# KiCad board porcupine_6x3_routed.kicad_pcb (continued)
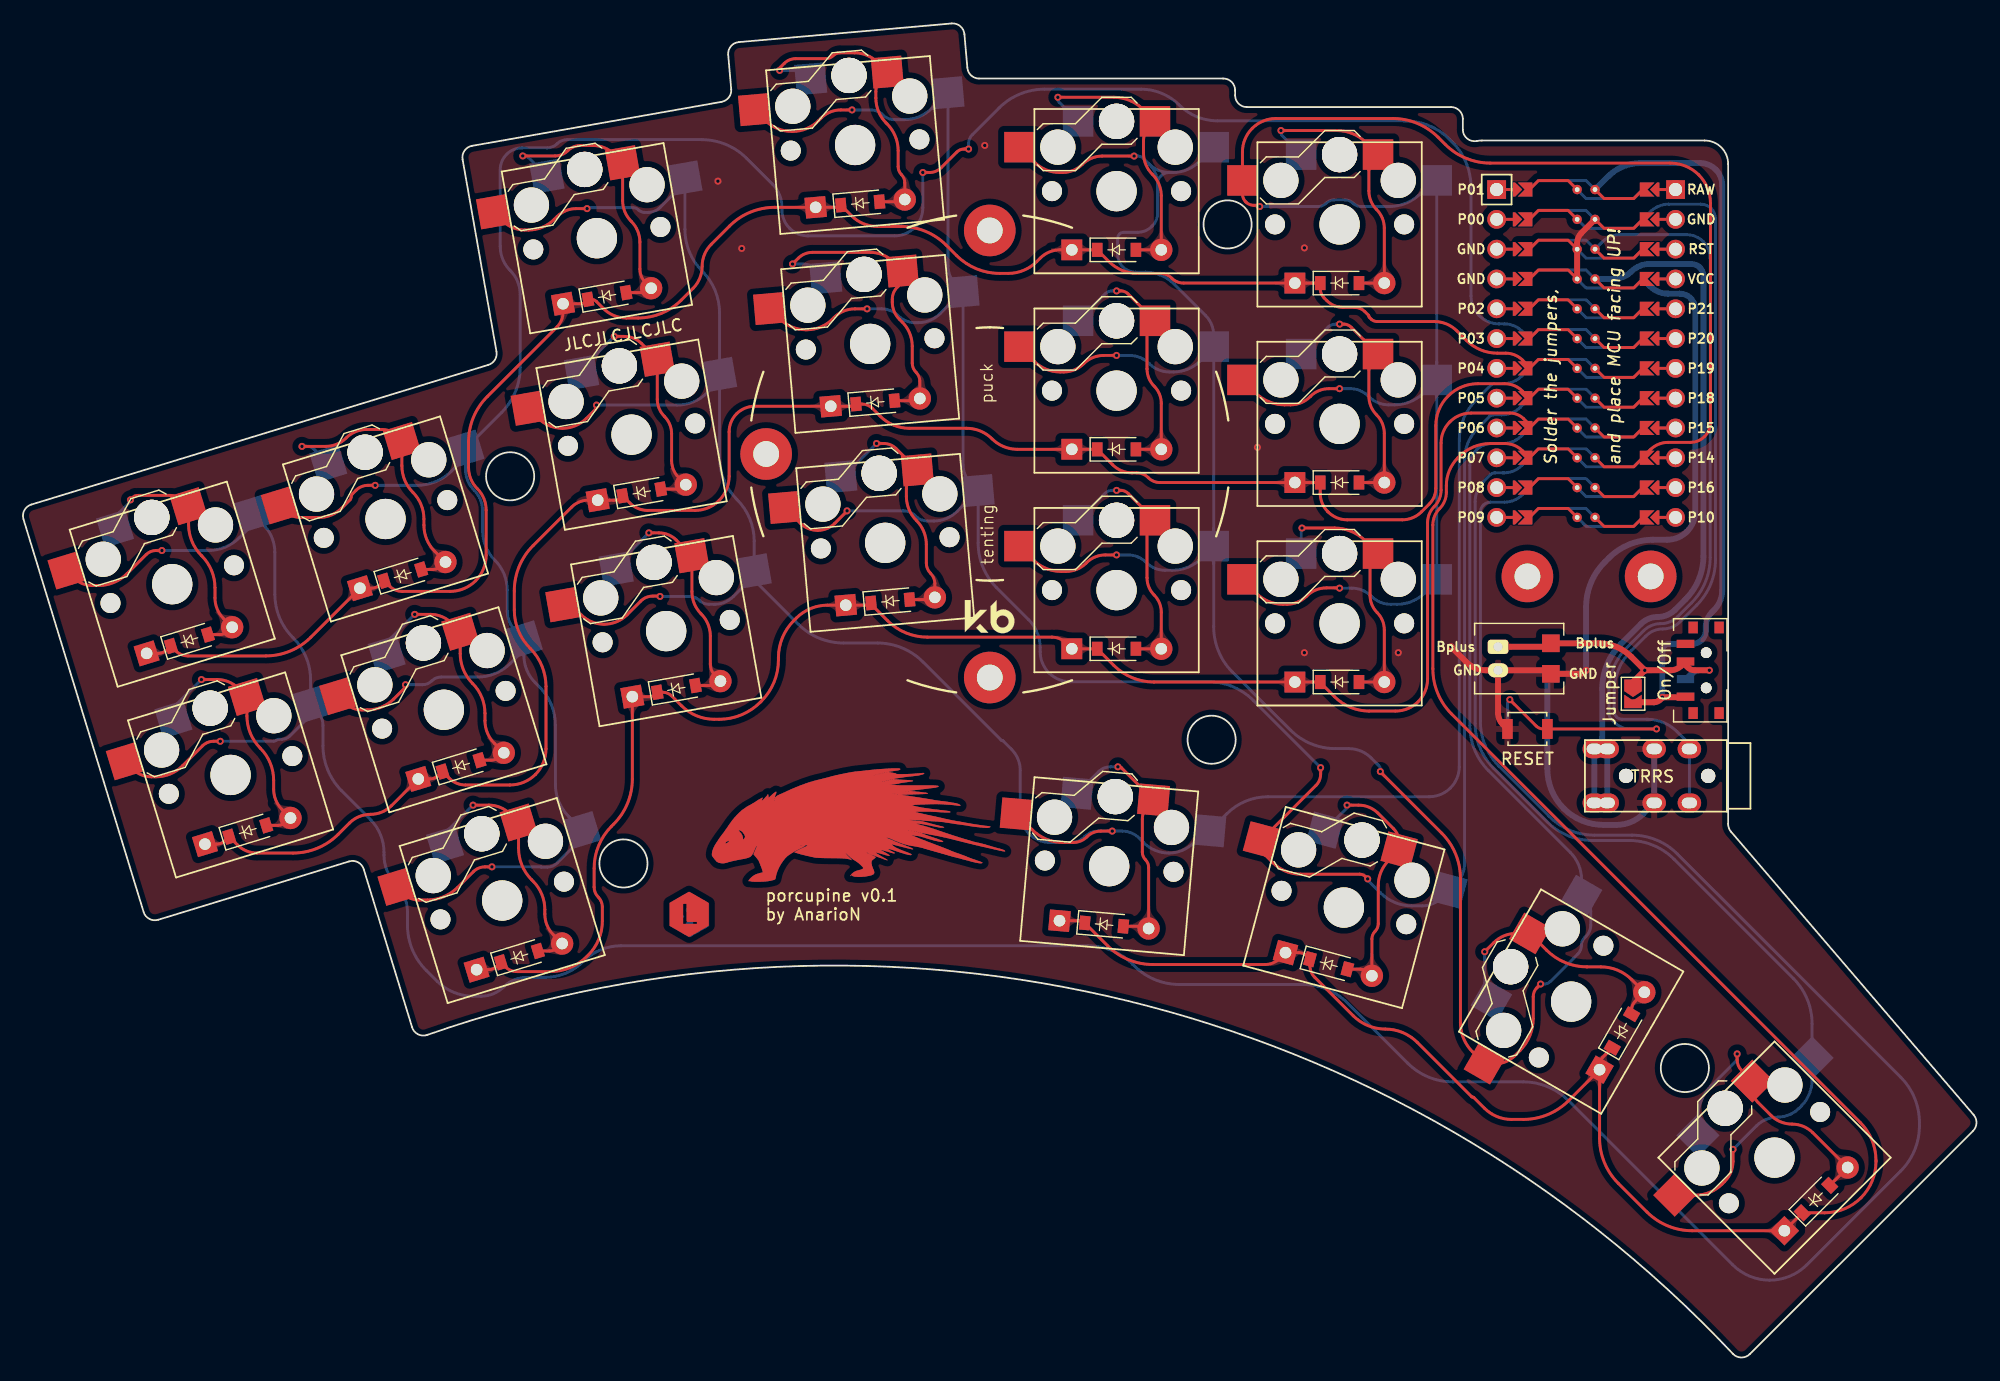
[diagram p0: board, top side]
## Routing (per net, layer and track width the routed paths; a pad name or vN(x,y) marks a point on that pad's centre or on a via; arc(x,y) is an arc through that point) (continued)
  Top w0.25: v1(112.75,47.08) 113.73,47.08 arc(114.63,46.9) 115.4,46.39 116.71,45.07 arc(117.06,44.54) 117.19,43.92 arc(117.06,43.3) 116.71,42.77 116.3,42.36 arc(115.64,41.38) 115.41,40.22 115.41,36.98 arc(115.34,36.62) 115.14,36.32 arc(114.94,36.02) 114.87,35.67 114.87,32.93 arc(114.77,32.78) 114.59,32.81 arc(114.28,33.02) 113.92,33.09 112.78,33.09
  Bottom w0.25: S19.1 112.67,46.75 arc(112.73,46.85) 112.75,46.96 v1(112.75,47.08) ; 114.87,32.53 114.59,32.81 arc(114.28,33.02) 113.92,33.09 112.78,33.09
outer_home: length 24.4
  Top w0.25: 20.68,45.35 21.67,45.35 arc(22.08,45.43) 22.43,45.67 arc(22.56,45.98) 22.43,46.3 22.03,46.7 arc(21.5,47.49) 21.31,48.43 21.31,49.18 arc(21.02,50.67) 20.17,51.93 arc(19.33,53.19) 19.04,54.68 19.04,55.25 arc(18.84,56.22) 18.29,57.04 arc(17.47,57.59) 16.51,57.78 v1(15.16,57.78)
  Bottom w0.25: 20.68,45.35 21.67,45.35 arc(22.08,45.43) 22.43,45.67 22.75,45.98 ; S1.1 12.77,54.89 arc(12.86,55.35) 13.13,55.75 v1(15.16,57.78)
outer_top: length 24.1
  Top w0.25: v1(9.11,73.09) 9.3,73.28 arc(9.51,73.42) 9.76,73.47 12.5,73.47 arc(13.1,73.35) 13.61,73.01 arc(13.95,72.51) 14.06,71.91 14.06,71 arc(14.35,69.56) 15.17,68.34 15.19,68.32 arc(16.02,67.07) 16.31,65.6 16.31,64.74 arc(16.5,63.78) 17.05,62.97 17.46,62.56 arc(17.59,62.24) 17.46,61.92 arc(17.11,61.69) 16.7,61.61 15.71,61.61
  Bottom w0.25: 17.78,62.24 17.46,61.92 arc(17.11,61.69) 16.7,61.61 15.71,61.61 ; v1(9.11,73.09) 9.11,73.03 arc(9.1,72.97) 9.07,72.92 8.16,72.01 arc(7.89,71.61) 7.8,71.14 S2.1
P0: length 65.8
  Bottom w0.25: TRRS_B.R2 141.92,52.08 arc(141.88,52.27) 141.77,52.44 140.87,53.34 arc(139.7,54.12) 138.32,54.39 136.2,54.39 arc(135.93,54.45) 135.71,54.59 arc(135.57,54.81) 135.51,55.08 135.51,56.79 arc(135.88,58.64) 136.93,60.21 138.21,61.49 arc(138.88,61.94) 139.66,62.09 arc(140.45,62.25) 141.11,62.69 142.54,64.12 arc(143.72,65.89) 144.14,67.97 144.14,97.06 arc(144.04,97.53) 143.78,97.93 arc(143.37,98.2) 142.9,98.29 140.15,98.29 arc(139.31,98.12) 138.59,97.65 MCU1.23
P4: length 165.3
  Top w0.25: 10.49,60.01 11.48,60.01 arc(11.89,60.09) 12.24,60.33 arc(12.56,60.46) 12.87,60.33 12.98,60.22 arc(13.45,59.9) 14.01,59.79 20.63,59.79 arc(22.72,60.21) 24.48,61.39 28.31,65.22 arc(28.7,65.48) 29.15,65.57 29.65,65.57 arc(30.06,65.65) 30.41,65.88 arc(30.73,66.01) 31.04,65.88 31.18,65.75 arc(31.68,65.41) 32.27,65.29 36.34,65.29 arc(37.52,65.53) 38.51,66.19 arc(39.18,67.19) 39.41,68.37 39.41,72.23 arc(39.22,73.21) 38.66,74.04 arc(38.11,74.87) 37.91,75.85 37.91,78.04 arc(38.33,80.12) 39.51,81.89 45.45,87.83 arc(45.83,88.4) 45.96,89.08 45.96,89.44 arc(46.07,89.7) 46.33,89.81 47.45,89.81 arc(47.7,89.86) 47.9,89.99 arc(48.11,90.13) 48.36,90.18 arc(48.6,90.13) 48.81,89.99 49.42,89.39 arc(50.3,88.8) 51.34,88.59 52.36,88.59 arc(54.35,88.99) 56.03,90.11 57.04,91.12 arc(57.61,91.98) 57.81,92.99 arc(58.02,94.01) 58.59,94.87 60.15,96.43 arc(61.92,97.61) 64,98.02 67.49,98.02 69.32,98.02 arc(69.44,98.05) 69.54,98.12 arc(69.64,98.16) 69.73,98.12 70.55,97.3 arc(71.55,96.63) 72.74,96.39 74.76,96.39 arc(76.84,95.98) 78.61,94.8 79.49,93.91 arc(81.18,92.79) 83.16,92.39 83.89,92.39 arc(85.21,92.65) 86.32,93.4 86.62,93.7 arc(87.4,94.22) 88.32,94.4 89.31,94.4 91.47,94.4 92.47,93.4 arc(93.58,92.65) 94.9,92.39 96.83,92.39 arc(97.37,92.29) 97.83,91.98 arc(98.28,91.68) 98.82,91.57 108.31,91.57 110.47,91.57 110.47,91.1 arc(110.55,90.67) 110.8,90.31 111.04,90.07 arc(111.67,89.64) 112.42,89.49 113.42,89.49 arc(113.88,89.4) 114.26,89.14 114.58,88.83 arc(114.6,88.79) 114.61,88.74 arc(114.62,88.7) 114.65,88.66 114.81,88.49 arc(115.03,88.35) 115.3,88.29 120.18,88.29 arc(121.23,88.08) 122.12,87.49 122.92,86.69 arc(124.13,85.88) 125.56,85.59 126.28,85.59 arc(127.05,85.44) 127.7,85 128.25,84.46 arc(128.28,84.41) 128.29,84.36 MCU1.18
  Bottom w0.25: 10.49,60.01 11.48,60.01 arc(11.89,60.09) 12.24,60.33 12.56,60.64 ; 89.31,94.4 91.47,94.4 ; 108.31,91.57 110.47,91.57 ; 67.49,98.02 69.32,98.02 arc(69.44,98.05) 69.54,98.12 69.64,98.21 ; 48.09,90.18 47.9,89.99 arc(47.7,89.86) 47.45,89.81 45.96,89.81 ; 30.73,66.2 30.41,65.88 arc(30.06,65.65) 29.65,65.57 28.66,65.57
P5: length 172.7
  Top w0.25: 15.46,43.75 16.45,43.75 arc(16.86,43.84) 17.21,44.07 arc(17.53,44.2) 17.84,44.07 18.22,43.69 arc(19,43.17) 19.91,42.99 22.96,42.99 arc(25.04,43.41) 26.81,44.59 27.77,45.55 arc(28.59,46.1) 29.56,46.29 arc(30.53,46.49) 31.36,47.04 33.28,48.96 arc(33.67,49.22) 34.12,49.31 34.62,49.31 arc(35.03,49.39) 35.38,49.63 arc(35.7,49.76) 36.01,49.63 36.27,49.37 arc(36.91,48.94) 37.66,48.79 41.44,48.79 arc(42.62,49.03) 43.61,49.69 arc(44.28,50.69) 44.51,51.87 44.51,57.18 arc(44.16,58.95) 43.16,60.44 arc(42.16,61.94) 41.81,63.7 41.81,65.34 arc(42.23,67.42) 43.41,69.19 46.71,72.49 arc(47.35,72.92) 48.1,73.06 50.4,73.06 arc(50.65,73.11) 50.86,73.25 arc(51.04,73.33) 51.23,73.25 51.67,72.82 arc(52.36,72.36) 53.17,72.19 57.21,72.19 arc(58.32,72.41) 59.26,73.04 arc(59.89,73.98) 60.11,75.1 60.11,78.89 arc(60.28,79.72) 60.75,80.43 arc(61.46,80.9) 62.29,81.07 68.77,81.07 70.6,81.07 arc(70.72,81.1) 70.83,81.16 arc(70.93,81.23) 71.05,81.26 71.43,81.26 arc(71.91,81.16) 72.31,80.9 72.98,80.23 arc(74.12,79.46) 75.47,79.19 80.35,79.19 arc(81.52,78.96) 82.51,78.3 arc(83.5,77.63) 84.67,77.4 89.31,77.4 91.47,77.4 92.79,76.08 arc(93.55,75.57) 94.45,75.39 94.83,75.39 arc(95.37,75.29) 95.83,74.98 arc(96.28,74.68) 96.82,74.57 108.31,74.57 110.47,74.57 110.47,73.65 arc(110.64,72.81) 111.12,72.09 111.14,72.07 arc(111.89,71.57) 112.76,71.39 117.46,71.39 arc(118.34,71.57) 119.09,72.07 119.76,72.74 arc(120.17,73.35) 120.31,74.07 120.31,79.41 arc(120.59,80.78) 121.36,81.94 arc(122.53,82.72) 123.9,82.99 126.18,82.99 arc(126.99,82.83) 127.67,82.38 MCU1.17
  Bottom w0.25: 48.92,73.06 50.4,73.06 arc(50.65,73.11) 50.86,73.25 51.04,73.44 ; 15.46,43.75 16.45,43.75 arc(16.86,43.84) 17.21,44.07 17.53,44.39 ; 89.31,77.4 91.47,77.4 ; 68.77,81.07 70.6,81.07 arc(70.72,81.1) 70.83,81.16 70.92,81.26 ; 35.7,49.94 35.38,49.63 arc(35.03,49.39) 34.62,49.31 33.63,49.31 ; 108.31,74.57 110.47,74.57
P6: length 153.7
  Top w0.25: 38.6,33.05 39.59,33.05 arc(40,33.13) 40.35,33.37 arc(40.67,33.5) 40.98,33.37 41.06,33.29 arc(41.5,33) 42.02,32.89 44.87,32.89 arc(46.57,33.23) 48.01,34.19 48.11,34.29 arc(49,35.62) 49.31,37.19 49.31,38.4 arc(49.22,38.86) 48.96,39.24 arc(48.7,39.63) 48.61,40.09 48.61,41.69 arc(49,43.63) 50.1,45.28 50.27,45.45 arc(51.45,47.22) 51.87,49.3 51.87,56.32 53.36,56.32 arc(53.6,56.37) 53.81,56.51 arc(54.02,56.65) 54.26,56.7 54.45,56.7 arc(54.87,56.61) 55.23,56.38 56.06,55.55 arc(57.34,54.69) 58.84,54.39 59.26,54.39 arc(61.16,54.77) 62.76,55.84 62.86,55.94 arc(63.94,57.55) 64.31,59.44 64.31,59.64 arc(64.65,61.35) 65.63,62.81 65.84,63.02 arc(67.06,63.83) 68.49,64.12 70.05,64.12 71.88,64.12 arc(72,64.14) 72.11,64.21 72.17,64.27 arc(72.19,64.27) 72.2,64.26 arc(72.21,64.21) 72.24,64.17 73.61,62.8 arc(75.16,61.76) 77,61.39 87.62,61.39 arc(88.26,61.26) 88.81,60.9 89.06,60.65 arc(89.33,60.47) 89.66,60.4 91.47,60.4 92.88,58.99 arc(94.45,57.94) 96.3,57.57 108.31,57.57 110.45,57.57 arc(110.46,57.56) 110.47,57.55 arc(110.47,57.54) 110.48,57.53 111.69,56.32 arc(113.04,55.41) 114.64,55.09 116.88,55.09 arc(117.93,55.3) 118.81,55.89 arc(119.41,56.78) 119.61,57.82 119.61,71.14 arc(119.76,71.89) 120.19,72.53 arc(120.61,73.17) 120.76,73.92 120.76,77.93 arc(120.96,78.91) 121.51,79.74 arc(122.34,80.3) 123.32,80.49 126.62,80.49 arc(127.26,80.37) 127.8,80 128.19,79.62 arc(128.26,79.5) 128.29,79.37 MCU1.16
  Bottom w0.25: 89.31,60.4 91.47,60.4 ; 54,56.7 53.81,56.51 arc(53.6,56.37) 53.36,56.32 51.87,56.32 ; 70.05,64.12 71.88,64.12 arc(72,64.14) 72.11,64.21 72.2,64.31 ; 108.31,57.57 110.47,57.57 ; 40.67,33.68 40.35,33.37 arc(40,33.13) 39.59,33.05 38.6,33.05
P7: length 186.2
  Top w0.25: MCU1.15 127.68,77.29 arc(127.01,77.74) 126.22,77.89 124.97,77.89 arc(123.53,77.61) 122.31,76.79 122.19,76.67 arc(121.47,75.59) 121.21,74.31 121.21,73.73 arc(121.06,72.98) 120.64,72.35 arc(120.21,71.71) 120.06,70.96 120.06,58.7 arc(120.48,56.61) 121.66,54.85 156.47,20.04 arc(157.46,18.55) 157.81,16.79 157.81,16.7 arc(157.48,15.03) 156.53,13.61 arc(155.12,12.67) 153.45,12.33 151.54,12.33 150.01,10.81 142.15,10.81 arc(140.07,11.22) 138.31,12.4 135.86,14.85 arc(134.68,16.61) 134.27,18.69 134.27,24.14 ; 134.27,24.14 134.27,24.93 ; 134.27,24.14 arc(134.17,24.29) 133.99,24.25 ; 135.35,26.4 134.55,25.6 arc(134.34,25.29) 134.27,24.93 ; 133.99,24.25 131.62,21.89 arc(129.86,20.71) 127.77,20.29 126.76,20.29 arc(125.52,20.54) 124.46,21.24 123.55,22.15 arc(123.51,22.18) 123.46,22.19 arc(123.41,22.2) 123.37,22.23 118.73,26.86 arc(117.48,27.7) 116.01,27.99 arc(114.53,28.29) 113.28,29.12 110,32.41 arc(109.7,32.85) 109.6,33.38 109.6,33.55 arc(109.52,33.92) 109.32,34.23 arc(109.01,34.43) 108.64,34.51 108.23,34.51 arc(107.56,34.38) 107,34 arc(106.44,33.62) 105.78,33.49 96.21,33.49 arc(94.13,33.91) 92.36,35.09 90.32,37.13 arc(90.21,37.2) 90.09,37.23 88.26,37.23 ; 133.99,24.25 arc(134.19,24.56) 134.27,24.93
  Bottom w0.25: 150.01,10.81 151.54,12.33 ; 134.27,24.53 134.27,24.93 arc(134.34,25.29) 134.55,25.6 135.35,26.4 ; 107.51,34.51 108.64,34.51 arc(109.01,34.43) 109.32,34.23 109.6,33.95 ; 90.41,37.04 90.32,37.13 arc(90.21,37.2) 90.09,37.23 88.26,37.23
P14: length 254.9
  Top w0.25: v1(112.12,65.57) 112.11,65.58 arc(112.09,65.59) 112.08,65.59 111,65.59 arc(110.09,65.41) 109.31,64.89 arc(108.54,64.38) 107.62,64.19 107.29,64.19 arc(106.07,64.44) 105.03,65.13 S15.2 ; MCU1.10 137.94,76.7 arc(137.95,76.72) 137.96,76.74 138.58,77.36 arc(139.28,77.83) 140.11,77.99 142.01,77.99 arc(142.66,78.12) 143.21,78.49 arc(143.58,79.05) 143.71,79.7 143.71,98.38 arc(143.45,99.69) 142.71,100.79 arc(141.61,101.53) 140.3,101.79 124.97,101.79 arc(122.88,102.21) 121.12,103.39 120.51,104 arc(118.74,105.18) 116.66,105.59 106.69,105.59 arc(105.6,105.38) 104.68,104.76 arc(104.06,103.83) 103.84,102.74 S17.2 103.84,99.18 arc(103.92,98.8) 104.13,98.48 104.14,98.47 arc(104.45,98.27) 104.82,98.19 105.14,98.19 arc(105.21,98.18) 105.26,98.14 v1(105.31,98.09) ; S21.2 142.43,13.84 arc(143.66,14.08) 144.7,14.78 144.92,15 arc(145.45,15.79) 145.63,16.73 v1(145.63,17.74) ; v1(112.12,82.57) 111.2,82.57 arc(110.36,82.4) 109.64,81.92 109.6,81.88 arc(108.84,81.37) 107.94,81.19 107.44,81.19 arc(106.08,81.46) 104.93,82.23 S16.2
  Bottom w0.25: MCU1.10 127.65,76.04 arc(126.94,75.56) 126.1,75.39 125.35,75.39 arc(125.13,75.35) 124.95,75.23 124.39,74.67 arc(123.85,73.87) 123.66,72.92 123.66,54.05 arc(124.08,51.97) 125.26,50.2 129.79,45.66 arc(131.56,44.48) 133.64,44.07 136.76,44.07 arc(138.84,43.65) 140.61,42.47 150.77,32.31 arc(151.95,30.54) 152.37,28.46 S21.2 152.37,23.66 arc(152.13,22.45) 151.44,21.42 151.27,21.25 arc(150.43,20.69) 149.45,20.49 arc(148.46,20.3) 147.63,19.74 v1(145.63,17.74) ; v1(112.12,65.57) 113.17,65.57 arc(114.06,65.39) 114.83,64.88 arc(115.59,64.37) 116.49,64.19 117.01,64.19 arc(118.31,64.45) 119.4,65.18 120.34,66.12 arc(120.38,66.18) 120.39,66.25 120.39,81.82 ; 119.33,82.26 119.31,82.24 arc(118.16,81.46) 116.79,81.19 116.29,81.19 arc(115.39,81.37) 114.63,81.88 114.58,81.93 arc(113.87,82.4) 113.03,82.57 v1(112.12,82.57) ; 119.33,82.26 arc(120.01,82.39) 120.39,81.82 ; 119.33,82.26 arc(120.12,83.43) 120.39,84.82 ; v1(105.31,98.09) 110.29,98.09 arc(110.66,98.17) 110.97,98.38 arc(111.28,98.58) 111.65,98.66 112.58,98.66 arc(112.95,98.58) 113.27,98.38 arc(113.58,98.17) 113.95,98.09 116.34,98.09 arc(117.79,98.38) 119.03,99.21 120.05,100.23 arc(120.15,100.3) 120.27,100.32 arc(120.36,100.28) 120.39,100.19 120.39,84.82 ; 120.39,81.82 120.39,84.82
P15: length 221.9
  Top w0.25: v1(93.12,68.4) 92.17,68.4 arc(91.29,68.23) 90.55,67.73 90.52,67.7 arc(89.74,67.18) 88.82,66.99 88.41,66.99 arc(87.11,67.25) 86.01,67.99 S12.2 ; v1(115.59,49.94) 115.59,49.93 arc(115.59,49.92) 115.6,49.91 120.82,44.69 arc(122,42.92) 122.41,40.84 122.41,28.53 arc(122.68,27.19) 123.44,26.06 124.12,25.38 arc(124.49,25.13) 124.93,25.04 125.41,25.04 arc(126.29,25.22) 127.03,25.71 127.49,26.17 arc(128.32,27.41) 128.61,28.89 128.61,30.76 arc(128.7,31.17) 128.93,31.52 v1(129.24,31.83) ; v1(93.12,85.4) 92.02,85.4 arc(91.1,85.22) 90.32,84.7 arc(89.54,84.18) 88.62,83.99 88.31,83.99 arc(87.1,84.23) 86.08,84.92 S13.2 ; v1(94.61,102.39) 91.9,102.39 arc(90.99,102.21) 90.21,101.69 arc(89.44,101.18) 88.52,100.99 88.26,100.99 arc(87.1,101.22) 86.11,101.88 S14.2
  Bottom w0.25: 96.61,100 96.61,97.5 arc(96.5,96.94) 96.18,96.46 96.11,96.39 arc(95.56,96.02) 94.91,95.89 93.73,95.89 arc(93.53,95.85) 93.36,95.74 arc(93.25,95.58) 93.21,95.38 93.21,94.03 arc(93.33,93.44) 93.66,92.94 arc(94.16,92.61) 94.75,92.49 95.56,92.49 arc(96.9,92.23) 98.04,91.47 100.7,88.81 arc(101.21,88.04) 101.39,87.13 101.39,86.19 ; 96.61,100 arc(96.43,100.92) 95.91,101.69 ; 96.61,100 arc(96.9,100.7) 97.6,100.99 ; v1(94.61,102.39) 94.91,102.39 arc(95.19,102.34) 95.43,102.18 95.91,101.69 ; v1(93.12,68.4) 94.08,68.4 arc(94.93,68.23) 95.66,67.75 arc(96.38,67.26) 97.24,67.09 97.88,67.09 arc(99.22,67.36) 100.36,68.12 ; v1(115.59,49.94) 115.59,50.13 arc(115.56,50.3) 115.46,50.45 114.8,51.1 arc(113.93,51.69) 112.9,51.89 111.76,51.89 arc(109.69,52.31) 107.92,53.48 102.99,58.42 arc(101.81,60.19) 101.39,62.27 101.39,67.7 ; 101.37,86.04 100.27,84.95 arc(99.21,84.24) 97.96,83.99 97.61,83.99 arc(96.69,84.18) 95.91,84.7 arc(95.13,85.22) 94.21,85.4 v1(93.12,85.4) ; v1(129.24,31.83) 129.55,31.83 arc(129.83,31.89) 130.07,32.05 132.43,34.41 arc(132.64,34.72) 132.71,35.09 arc(132.79,35.46) 133,35.78 133.11,35.89 arc(133.41,36.34) 133.51,36.86 133.51,38.04 arc(133.41,38.55) 133.12,38.98 arc(132.83,39.42) 132.73,39.93 132.73,40.73 arc(132.48,41.99) 131.77,43.05 124.81,50.01 arc(123.63,51.78) 123.21,53.86 123.21,76.02 arc(123.36,76.73) 123.76,77.34 arc(124.37,77.75) 125.09,77.89 126.03,77.89 arc(126.9,78.07) 127.63,78.56 MCU1.9 ; 101.39,86.11 101.39,70.61 ; 101.39,70.61 101.39,67.7 ; 101.39,70.61 arc(101.13,69.26) 100.36,68.12 ; 101.39,67.7 arc(101.02,68.25) 100.36,68.12 ; 97.6,100.99 97.92,100.99 arc(99.13,101.23) 100.16,101.92 S14.2 ; 97.6,100.99 arc(96.69,101.18) 95.91,101.69 ; 101.39,86.17 101.39,86.13 101.39,86.17
P16: length 304.2
  Top w0.25: S1.2 9.3,50.16 arc(10.03,49.67) 10.89,49.49 11.29,49.49 arc(12.51,49.74) 13.55,50.43 15.24,52.12 arc(15.68,52.42) 16.2,52.52 v1(16.77,52.52) ; v1(11.8,68.78) 11.3,68.78 arc(10.83,68.68) 10.44,68.42 8.83,66.81 arc(7.7,66.06) 6.38,65.79 5.85,65.79 arc(5.01,65.96) 4.3,66.43 S2.2
  Bottom w0.25: 24.46,55.2 24.46,56.11 ; 24.46,55.2 arc(24.58,55.37) 24.78,55.33 ; 24.46,55.2 arc(24.38,54.77) 24.14,54.42 22.7,52.98 arc(22.38,52.77) 22.01,52.69 21.74,52.69 arc(21.62,52.67) 21.53,52.61 arc(21.43,52.54) 21.32,52.52 v1(16.77,52.52) ; 24.46,56.11 24.46,57.75 arc(24.07,59.69) 22.98,61.33 22.94,61.37 arc(21.81,63.06) 21.41,65.05 21.41,68.63 arc(21.16,69.89) 20.45,70.95 19.82,71.58 arc(19.61,71.62) 19.49,71.44 arc(19.4,71.01) 19.16,70.64 18.39,69.87 arc(17.18,69.06) 15.75,68.78 v1(11.8,68.78) ; 24.46,56.11 arc(24.54,55.69) 24.78,55.33 ; 24.78,55.33 24.99,55.13 arc(25.38,54.55) 25.51,53.86 25.51,52.15 arc(25.93,50.06) 27.11,48.3 29.55,45.86 arc(30.41,44.57) 30.71,43.04 30.71,42.81 arc(30.97,41.5) 31.71,40.39 arc(32.45,39.29) 32.71,37.98 32.71,36.85 arc(33.13,34.76) 34.31,33 35.24,32.07 arc(36.65,31.12) 38.31,30.79 38.98,30.79 arc(40.03,31) 40.91,31.59 arc(41.8,32.19) 42.84,32.39 44.4,32.39 arc(46.17,32.74) 47.66,33.74 arc(49.16,34.74) 50.92,35.09 90.66,35.09 arc(92.74,34.68) 94.51,33.5 94.62,33.39 arc(96.38,32.21) 98.47,31.79 108.96,31.79 arc(111.04,31.38) 112.81,30.2 117.92,25.09 arc(119.68,23.91) 121.77,23.49 127.76,23.49 arc(129.84,23.08) 131.61,21.9 145.61,7.9 arc(147.05,6.93) 148.76,6.59 arc(150.47,6.93) 151.92,7.9 159.92,15.9 arc(161.1,17.66) 161.51,19.75 161.51,20.04 arc(161.1,22.12) 159.92,23.89 140.88,42.92 arc(139.12,44.1) 137.03,44.52 133.83,44.52 arc(131.75,44.93) 129.98,46.11 125.71,50.39 arc(124.53,52.15) 124.11,54.23 124.11,72.04 arc(124.18,72.37) 124.36,72.64 arc(124.64,72.83) 124.97,72.89 126.17,72.89 arc(126.98,73.05) 127.67,73.52 MCU1.11
P18: length 207.7
  Top w0.25: v1(114.51,40.79) 114.31,40.99 arc(114.09,41.14) 113.83,41.19 108.79,41.19 arc(107.52,41.45) 106.44,42.17 105.8,42.8 arc(105.55,43.18) 105.46,43.63 arc(105.55,44.08) 105.8,44.46 110.11,48.76 arc(110.4,49.2) 110.5,49.71 v1(110.5,50.27) ; v1(70.58,106.33) 69.61,106.33 arc(68.72,106.15) 67.96,105.64 67.73,105.41 arc(66.71,104.73) 65.52,104.49 65.45,104.49 arc(64.23,104.73) 63.2,105.42 S11.2 ; v1(71.87,89.37) 70.83,89.37 arc(69.87,89.18) 69.06,88.64 68.9,88.48 arc(67.92,87.82) 66.76,87.59 66.64,87.59 arc(65.46,87.83) 64.46,88.5 S10.2 ; v1(70.16,72.16) 70.16,72.15 arc(70.16,72.14) 70.15,72.13 69.13,71.1 arc(68.45,70.65) 67.65,70.49 arc(66.86,70.65) 66.18,71.1 S9.2
  Bottom w0.25: v1(71.87,89.37) 73.1,89.37 arc(73.87,89.22) 74.52,88.78 arc(75.18,88.35) 75.95,88.19 76.21,88.19 arc(77.23,88.4) 78.09,88.97 79.93,90.81 arc(79.96,90.83) 80,90.84 ; 81.32,73.89 80.69,74.53 arc(80.21,75.24) 80.04,76.08 80.04,90.8 ; 81.32,73.89 arc(81.33,73.89) 81.33,73.88 ; 81.32,73.89 arc(81.32,73.89) 81.32,73.89 ; 80.04,90.8 arc(80.04,90.84) 80.01,90.87 ; 80.04,90.8 arc(80.03,90.83) 80,90.84 ; 81.33,73.88 81.33,69.43 arc(81.74,67.35) 82.92,65.59 85.62,62.88 arc(86.36,61.79) 86.61,60.49 86.61,60.15 arc(86.81,59.17) 87.36,58.34 arc(88.19,57.79) 89.17,57.59 100.92,57.59 arc(103.01,57.18) 104.77,56 v1(110.5,50.27) ; 81.33,73.88 arc(81.32,73.89) 81.32,73.89 ; v1(70.16,72.16) 74.94,72.16 arc(75.5,72.05) 75.98,71.73 arc(76.46,71.41) 77.02,71.29 77.56,71.29 arc(78.63,71.5) 79.53,72.11 81.3,73.88 arc(81.31,73.89) 81.32,73.89 ; 80.01,90.87 79.4,91.48 arc(78.93,92.19) 78.76,93.03 78.76,107.77 arc(78.75,107.79) 78.74,107.79 arc(78.72,107.79) 78.7,107.78 77.4,106.48 arc(76.31,105.75) 75.01,105.49 74.2,105.49 arc(73.66,105.6) 73.2,105.91 arc(72.74,106.22) 72.19,106.33 v1(70.58,106.33) ; 80.01,90.87 arc(80.02,90.85) 80,90.84 ; MCU1.8 127.53,81 arc(126.81,80.51) 125.95,80.34 125.24,80.34 arc(125.05,80.31) 124.89,80.2 123.9,79.21 arc(123.06,77.95) 122.76,76.47 122.76,42.08 arc(122.59,41.22) 122.11,40.49 120.78,39.16 arc(120.04,38.67) 119.16,38.49 118.27,38.49 arc(116.83,38.78) 115.61,39.59 114.55,40.66 arc(114.52,40.7) 114.51,40.74 v1(114.51,40.79)
P19: length 215.7
  Top w0.25: v1(92.75,44.86) 91.77,44.86 arc(91.14,44.74) 90.6,44.38 arc(90.06,44.02) 89.43,43.89 88.56,43.89 arc(87.13,44.18) 85.92,44.99 S18.2 ; v1(48.82,81.17) 48.82,81.03 arc(48.79,80.91) 48.72,80.8 47.96,80.04 arc(47.02,79.41) 45.91,79.19 arc(44.8,79.41) 43.86,80.04 S7.2 ; S6.2 46.3,64.16 arc(46.62,64.1) 46.89,63.92 47.5,63.31 arc(48.4,62.7) 49.46,62.49 arc(50.53,62.7) 51.43,63.31 52.59,64.47 arc(53.06,64.78) 53.61,64.89 54.18,64.89 arc(54.2,64.89) 54.22,64.88 v1(54.23,64.86) ; v1(48.01,97.91) 47.07,97.91 arc(46.2,97.74) 45.47,97.25 45.22,97 arc(44.22,96.33) 43.03,96.09 42.7,96.09 arc(41.69,96.3) 40.83,96.87 S8.2
  Bottom w0.25: 62.25,67.14 62.25,66.94 62.25,67.14 ; 62.25,67.14 62.25,67.24 ; 62.25,67.14 62.25,67.24 ; 59.3,84.03 59.3,84.53 ; 59.3,84.03 59.3,84.53 ; 59.3,84.03 59.3,83.91 ; 59.3,84.03 59.3,83.91 ; 59.3,84.53 59.3,89.02 arc(58.91,90.95) 57.82,92.58 arc(56.73,94.22) 56.35,96.15 56.35,100.32 arc(56.31,100.14) 56.21,99.99 54.24,98.02 arc(53.77,97.7) 53.21,97.59 52.9,97.59 arc(52.63,97.65) 52.41,97.79 arc(52.19,97.94) 51.93,97.99 48.15,97.99 arc(48.1,97.98) 48.05,97.95 v1(48.01,97.91) ; 59.3,83.53 59.3,76.7 arc(59.68,74.77) 60.77,73.13 arc(61.87,71.5) 62.25,69.57 62.25,67.65 ; 59.3,83.53 59.3,83.65 ; 59.3,83.53 59.3,83.65 ; 59.3,83.53 arc(59.25,83.3) 59.12,83.1 58.24,82.22 arc(57.08,81.44) 55.7,81.17 v1(48.82,81.17) ; MCU1.7 127.64,83.65 arc(126.92,83.16) 126.06,82.99 125.26,82.99 arc(125.15,82.97) 125.06,82.91 123.73,81.58 arc(122.68,80.01) 122.31,78.16 122.31,50.35 arc(122.12,49.37) 121.56,48.54 arc(120.73,47.99) 119.75,47.79 106.02,47.79 arc(104.12,47.42) 102.51,46.34 101.18,45.01 arc(101.05,44.92) 100.89,44.89 arc(100.72,44.86) 100.59,44.77 99.7,43.88 arc(98.72,43.22) 97.56,42.99 arc(96.41,43.22) 95.43,43.88 95.04,44.27 arc(94.38,44.71) 93.6,44.86 v1(92.75,44.86) 91.57,44.86 arc(90.94,44.74) 90.4,44.38 arc(89.86,44.02) 89.23,43.89 87.47,43.89 arc(86.49,44.09) 85.66,44.64 arc(85.11,45.47) 84.91,46.45 84.91,50.03 arc(84.72,51.01) 84.16,51.84 83.45,52.56 arc(83.41,52.58) 83.36,52.59 arc(83.32,52.6) 83.28,52.63 76.61,59.3 arc(74.84,60.48) 72.76,60.89 69.87,60.89 arc(67.78,61.31) 66.02,62.49 62.53,65.98 arc(62.32,66.29) 62.25,66.65 62.25,66.83 arc(62.21,66.65) 62.11,66.49 60.48,64.86 arc(59.74,64.37) 58.86,64.19 58.39,64.19 arc(57.95,64.28) 57.58,64.53 arc(57.21,64.78) 56.77,64.86 v1(54.23,64.86) ; 62.25,67.65 62.25,67.24 ; 62.25,67.65 62.25,67.24 ; 59.3,83.91 59.3,83.65 ; 59.3,83.91 59.3,83.65
P20: length 234.1
  Top w0.25: v1(32.54,57.34) 32.54,57.23 arc(32.52,57.13) 32.47,57.05 31.54,56.12 arc(30.51,55.43) 29.3,55.19 28.82,55.19 arc(28.05,55.35) 27.39,55.78 S4.2 ; S5.2 22.35,72.11 arc(22.92,71.73) 23.6,71.59 25.18,71.59 arc(26.23,71.8) 27.11,72.39 27.81,73.09 arc(27.89,73.2) 27.91,73.34 arc(27.94,73.48) 28.02,73.6 28.33,73.91 arc(28.8,74.22) 29.34,74.33 v1(29.97,74.33) ; v1(80.51,102.99) 80.14,102.99 arc(79.8,102.92) 79.5,102.73 78.17,101.4 arc(77.72,101.1) 77.19,100.99 v1(76.61,100.99) ; S3.2 32.33,39.55 arc(32.96,39.14) 33.69,38.99 34.4,38.99 arc(35.8,39.27) 36.98,40.06 38.32,41.4 arc(38.78,41.71) 39.32,41.82 v1(39.91,41.82)
  Bottom w0.25: v1(32.54,57.34) 34,57.34 arc(34.43,57.43) 34.79,57.67 arc(35.15,57.91) 35.57,57.99 38.68,57.99 arc(40.19,58.29) 41.47,59.15 42.31,59.99 arc(42.55,60.34) 42.63,60.76 ; 37.92,77.73 40.72,80.53 arc(41.9,82.29) 42.31,84.38 42.31,90.59 arc(42.09,91.7) 41.46,92.64 arc(40.83,93.58) 40.61,94.7 40.61,101.22 arc(40.76,101.93) 41.16,102.54 arc(41.77,102.95) 42.49,103.09 44.62,103.09 arc(45.08,103.18) 45.46,103.44 arc(45.85,103.7) 46.31,103.79 57.76,103.79 arc(59.84,103.38) 61.61,102.2 63.8,100.01 arc(64.4,99.11) 64.61,98.04 64.61,97.81 arc(64.78,96.96) 65.26,96.24 arc(65.98,95.76) 66.83,95.59 74.22,95.59 arc(75.14,95.78) 75.91,96.29 arc(76.43,97.07) 76.61,97.98 v1(76.61,100.99) ; 37.92,77.73 arc(37.73,77.44) 37.66,77.1 ; 37.92,77.73 arc(37.73,77.44) 37.66,77.1 ; v1(39.91,41.82) 44.07,41.82 arc(44.09,41.81) 44.1,41.81 arc(44.11,41.8) 44.13,41.79 44.61,41.79 arc(45.08,41.88) 45.47,42.15 47.36,44.04 arc(47.54,44.31) 47.6,44.62 arc(47.54,44.93) 47.36,45.19 46.46,46.1 arc(45.61,47.36) 45.31,48.86 45.31,53.9 arc(44.96,55.65) 43.97,57.13 43.6,57.51 arc(42.88,58.58) 42.63,59.84 42.63,60.76 ; 37.66,77.1 37.66,75.67 arc(37.85,74.73) 38.39,73.92 arc(38.92,73.11) 39.11,72.17 39.11,70.48 arc(39.39,69.11) 40.16,67.94 arc(40.94,66.78) 41.21,65.41 41.21,63.63 arc(41.4,62.7) 41.92,61.92 42.31,61.53 ; 37.66,77.1 arc(37.59,76.77) 37.4,76.48 36.46,75.54 arc(35.12,74.64) 33.55,74.33 v1(29.97,74.33) ; MCU1.6 127.66,87.47 arc(126.97,87.93) 126.15,88.09 125.7,88.09 arc(124.79,88.28) 124.01,88.79 arc(123.5,89.57) 123.31,90.48 123.31,99.74 arc(122.9,101.82) 121.72,103.59 121.51,103.8 arc(119.74,104.98) 117.66,105.39 101.72,105.39 arc(99.96,105.74) 98.46,106.74 arc(96.97,107.74) 95.2,108.09 86.97,108.09 arc(84.88,107.68) 83.12,106.5 80.83,104.21 arc(80.6,103.86) 80.51,103.44 v1(80.51,102.99) ; 42.63,60.76 arc(42.55,61.18) 42.31,61.53 ; 42.63,60.76 arc(42.55,61.18) 42.31,61.53
pinky_bottom: length 24.4
  Top w0.25: v1(38.3,47.08) 39.65,47.08 arc(40.61,46.88) 41.43,46.34 arc(41.98,45.52) 42.18,44.55 42.18,43.41 arc(42.47,41.95) 43.29,40.71 43.41,40.6 arc(44.15,39.49) 44.41,38.17 44.41,37.8 arc(44.6,36.84) 45.15,36.02 45.57,35.6 arc(45.7,35.28) 45.57,34.96 arc(45.22,34.73) 44.81,34.65 43.82,34.65
  Bottom w0.25: 43.82,34.65 44.81,34.65 arc(45.22,34.73) 45.57,34.96 45.89,35.28 ; S3.1 35.91,44.19 arc(36,44.65) 36.27,45.05 v1(38.3,47.08)
pinky_home: length 24.4
  Top w0.25: 38.85,50.91 39.84,50.91 arc(40.25,50.99) 40.6,51.22 arc(40.73,51.54) 40.6,51.85 40.12,52.34 arc(39.52,53.23) 39.31,54.28 39.31,54.9 arc(39.04,56.28) 38.26,57.45 arc(37.48,58.61) 37.2,59.99 37.2,60.81 arc(37.01,61.77) 36.46,62.59 arc(35.64,63.14) 34.68,63.33 v1(33.33,63.33)
  Bottom w0.25: 38.85,50.91 39.84,50.91 arc(40.25,50.99) 40.6,51.22 40.92,51.54 ; S4.1 30.94,60.44 arc(31.03,60.91) 31.3,61.3 v1(33.33,63.33)
pinky_top: length 27.8
  Top w0.25: 33.88,67.16 34.87,67.16 arc(35.28,67.25) 35.63,67.48 arc(35.76,67.79) 35.63,68.11 35.03,68.71 arc(34.35,69.73) 34.11,70.93 34.11,71.46 arc(33.87,72.69) 33.17,73.73 arc(32.48,74.77) 32.23,76 32.23,77.41 arc(32.11,78.06) 31.74,78.6 arc(31.2,78.97) 30.56,79.09 29.23,79.09 arc(28.29,78.91) 27.49,78.37 arc(26.69,77.84) 25.75,77.65 v1(23.72,77.65)
  Bottom w0.25: 35.95,67.79 35.63,67.48 arc(35.28,67.25) 34.87,67.16 33.88,67.16 ; v1(23.72,77.65) 24.12,77.65 arc(24.48,77.58) 24.8,77.37 S5.1
RAW: length 67
  Top w0.5: J2.2 138.89,55.84 arc(139.17,55.9) 139.41,56.06 v1(139.62,56.27) 141.5,56.27 arc(141.54,56.28) 141.56,56.29 _3.1
  Bottom w0.5: MCU1.1 135.01,100.67 arc(136.26,101.5) 137.73,101.79 142.84,101.79 arc(143.55,101.65) 144.16,101.24 arc(144.57,100.63) 144.71,99.92 144.71,65.38 arc(144.53,64.47) 144.01,63.69 143.84,63.52 arc(143.45,62.94) 143.31,62.24 143.31,61.97 arc(143.23,61.53) 142.98,61.16 arc(142.6,60.91) 142.16,60.82 _3.1 140.17,60.82 arc(139.96,60.78) 139.78,60.66 arc(139.66,60.48) 139.62,60.27 v1(139.62,56.27) 139.41,56.06 arc(139.17,55.9) 138.89,55.84 J2.2
ring_bottom: length 24.3
  Top w0.25: v1(53.28,70.28) 54.14,70.28 arc(54.94,70.12) 55.61,69.67 56.28,69 arc(56.77,68.27) 56.94,67.39 56.94,65.27 arc(57.15,64.25) 57.73,63.38 arc(58.31,62.51) 58.51,61.48 58.51,59.11 arc(58.62,58.55) 58.94,58.08 59.18,57.83 arc(59.26,57.65) 59.18,57.46 arc(58.98,57.32) 58.73,57.27 57.25,57.27
  Bottom w0.25: 57.25,57.27 58.73,57.27 arc(58.98,57.32) 59.18,57.46 59.37,57.65 ; v1(53.28,70.28) 50.6,67.6 arc(50.52,67.49) 50.49,67.35 S6.1
ring_home: length 24.3
  Top w0.25: v1(50.32,87.02) 51.19,87.02 arc(51.98,86.86) 52.66,86.41 53.33,85.75 arc(53.82,85.01) 53.99,84.14 53.99,81.68 arc(54.15,80.88) 54.6,80.2 arc(55.05,79.53) 55.21,78.73 55.21,76.45 arc(55.37,75.66) 55.82,74.99 56.23,74.58 arc(56.31,74.39) 56.23,74.2 arc(56.03,74.06) 55.78,74.01 54.29,74.01
  Bottom w0.25: S7.1 47.54,84.09 arc(47.57,84.23) 47.65,84.34 v1(50.32,87.02) ; 56.42,74.39 56.23,74.2 arc(56.03,74.06) 55.78,74.01 54.29,74.01
ring_top: length 27.7
  Top w0.25: v1(42.53,102.4) 45.29,102.4 arc(45.87,102.52) 46.37,102.85 arc(46.86,103.18) 47.44,103.29 48.53,103.29 arc(49.49,103.1) 50.3,102.56 arc(50.85,101.74) 51.04,100.78 51.04,98.61 arc(51.23,97.65) 51.78,96.83 arc(52.32,96.01) 52.51,95.05 52.51,92.76 arc(52.64,92.14) 52.99,91.61 53.28,91.32 arc(53.36,91.13) 53.28,90.94 arc(53.07,90.8) 52.83,90.75 51.34,90.75
  Bottom w0.25: v1(42.53,102.4) 42.7,102.4 arc(42.86,102.37) 42.99,102.28 S8.1 ; 51.34,90.75 52.83,90.75 arc(53.07,90.8) 53.28,90.94 53.47,91.13
RST: length 74.8
  Top w0.25: v1(126.62,56.07) 128.87,53.82 arc(129.14,53.63) 129.47,53.57 _4_B.1 v1(139.12,53.57)
  Bottom w0.25: v1(126.62,56.07) 126.52,55.97 arc(126.44,55.86) 126.42,55.73 _4_B.1 ; v1(139.12,53.57) 136.84,53.57 arc(136.16,53.71) 135.58,54.09 135.26,54.41 arc(135.11,54.63) 135.06,54.88 135.06,56.79 arc(135.46,58.81) 136.61,60.53 138.03,61.94 arc(138.69,62.39) 139.48,62.54 arc(140.26,62.7) 140.93,63.14 142.09,64.31 arc(143.27,66.08) 143.69,68.16 143.69,93.69 arc(143.54,94.45) 143.1,95.11 arc(142.45,95.54) 141.68,95.69 135.99,95.69 arc(135.18,95.53) 134.5,95.08 MCU1.3

## Copper pours and planes (outline as drawn; the poured copper is in the pictures)
GND on Top: 182.61,-19.11 -23.99,-19.11 -23.99,135.39 182.61,135.39
GND on Bottom: 182.61,-19.11 -23.99,-19.11 -23.99,135.49 182.61,135.49
VCC on Bottom: 135.17,50.28 135.17,50.46 135.19,50.61 135.22,50.74 135.26,50.86 135.31,50.96 135.37,51.05 135.49,51.26 135.56,51.38 135.64,51.52 134.92,52.27 134.2,51.52 134.27,51.38 134.34,51.26 134.47,51.05 134.53,50.96 134.57,50.86 134.61,50.74 134.64,50.61 134.66,50.46 134.67,50.28
VCC on Bottom: 133.57,48.86 133.56,48.68 133.54,48.52 133.51,48.39 133.47,48.28 133.43,48.18 133.37,48.08 133.24,47.88 133.17,47.76 133.1,47.62 133.82,46.87 134.54,47.62 134.46,47.76 134.39,47.88 134.27,48.08 134.21,48.18 134.16,48.28 134.12,48.39 134.09,48.52 134.07,48.68 134.07,48.86
VCC on Bottom: 134.24,53.35 134.23,53.14 134.23,52.97 134.21,52.82 134.2,52.69 134.16,52.45 134.14,52.33 134.13,52.19 134.12,52.04 134.12,51.87 135.13,51.53 135.34,52.55 135.14,52.67 135.05,52.73 134.97,52.78 134.9,52.85 134.85,52.92 134.8,53 134.77,53.09 134.75,53.21 134.74,53.35
VCC on Bottom: 134.67,48.86 134.66,48.68 134.64,48.52 134.61,48.39 134.57,48.28 134.53,48.18 134.47,48.08 134.34,47.88 134.27,47.76 134.2,47.62 134.92,46.87 135.64,47.62 135.56,47.76 135.49,47.88 135.37,48.08 135.31,48.18 135.26,48.28 135.22,48.39 135.19,48.52 135.17,48.68 135.17,48.86
VCC on Bottom: 134.07,50.28 134.07,50.46 134.09,50.61 134.12,50.74 134.16,50.86 134.21,50.96 134.27,51.05 134.39,51.26 134.46,51.38 134.54,51.52 133.82,52.27 133.1,51.52 133.17,51.38 133.24,51.26 133.37,51.05 133.43,50.96 133.47,50.86 133.51,50.74 133.54,50.61 133.56,50.46 133.57,50.28
VCC on Bottom: 134.24,53.19 134.23,53.07 134.2,52.97 134.16,52.9 134.1,52.84 134.03,52.79 133.95,52.75 133.86,52.72 133.66,52.66 133.56,52.62 133.54,51.59 134.62,51.87 134.62,52.03 134.63,52.16 134.64,52.28 134.66,52.39 134.7,52.6 134.71,52.72 134.73,52.85 134.73,53.01 134.74,53.19
Bplus on Top: 126.81,60.82 126.67,60.82 126.56,60.83 126.46,60.85 126.38,60.87 126.3,60.9 126.22,60.93 126.15,60.97 125.98,61.06 125.88,61.11 125.32,60.57 125.88,60.03 125.98,60.08 126.15,60.17 126.22,60.21 126.3,60.24 126.38,60.27 126.46,60.29 126.56,60.31 126.67,60.32 126.81,60.32
Bplus on Top: 126.81,60.82 126.67,60.82 126.56,60.83 126.46,60.85 126.38,60.87 126.3,60.9 126.22,60.93 126.15,60.97 125.98,61.06 125.88,61.11 125.32,60.57 125.88,60.03 125.98,60.08 126.15,60.17 126.22,60.21 126.3,60.24 126.38,60.27 126.46,60.29 126.56,60.31 126.67,60.32 126.81,60.32
Bplus on Bottom: 126.81,60.82 126.67,60.82 126.56,60.83 126.46,60.85 126.38,60.87 126.3,60.9 126.22,60.93 126.15,60.97 125.98,61.06 125.88,61.11 125.32,60.57 125.88,60.03 125.98,60.08 126.15,60.17 126.22,60.21 126.3,60.24 126.38,60.27 126.46,60.29 126.56,60.31 126.67,60.32 126.81,60.32
Bplus on Bottom: 126.81,60.82 126.67,60.82 126.56,60.83 126.46,60.85 126.38,60.87 126.3,60.9 126.22,60.93 126.15,60.97 125.98,61.06 125.88,61.11 125.32,60.57 125.88,60.03 125.98,60.08 126.15,60.17 126.22,60.21 126.3,60.24 126.38,60.27 126.46,60.29 126.56,60.31 126.67,60.32 126.81,60.32
